# KiCad board delta48m.kicad_pcb (continued)
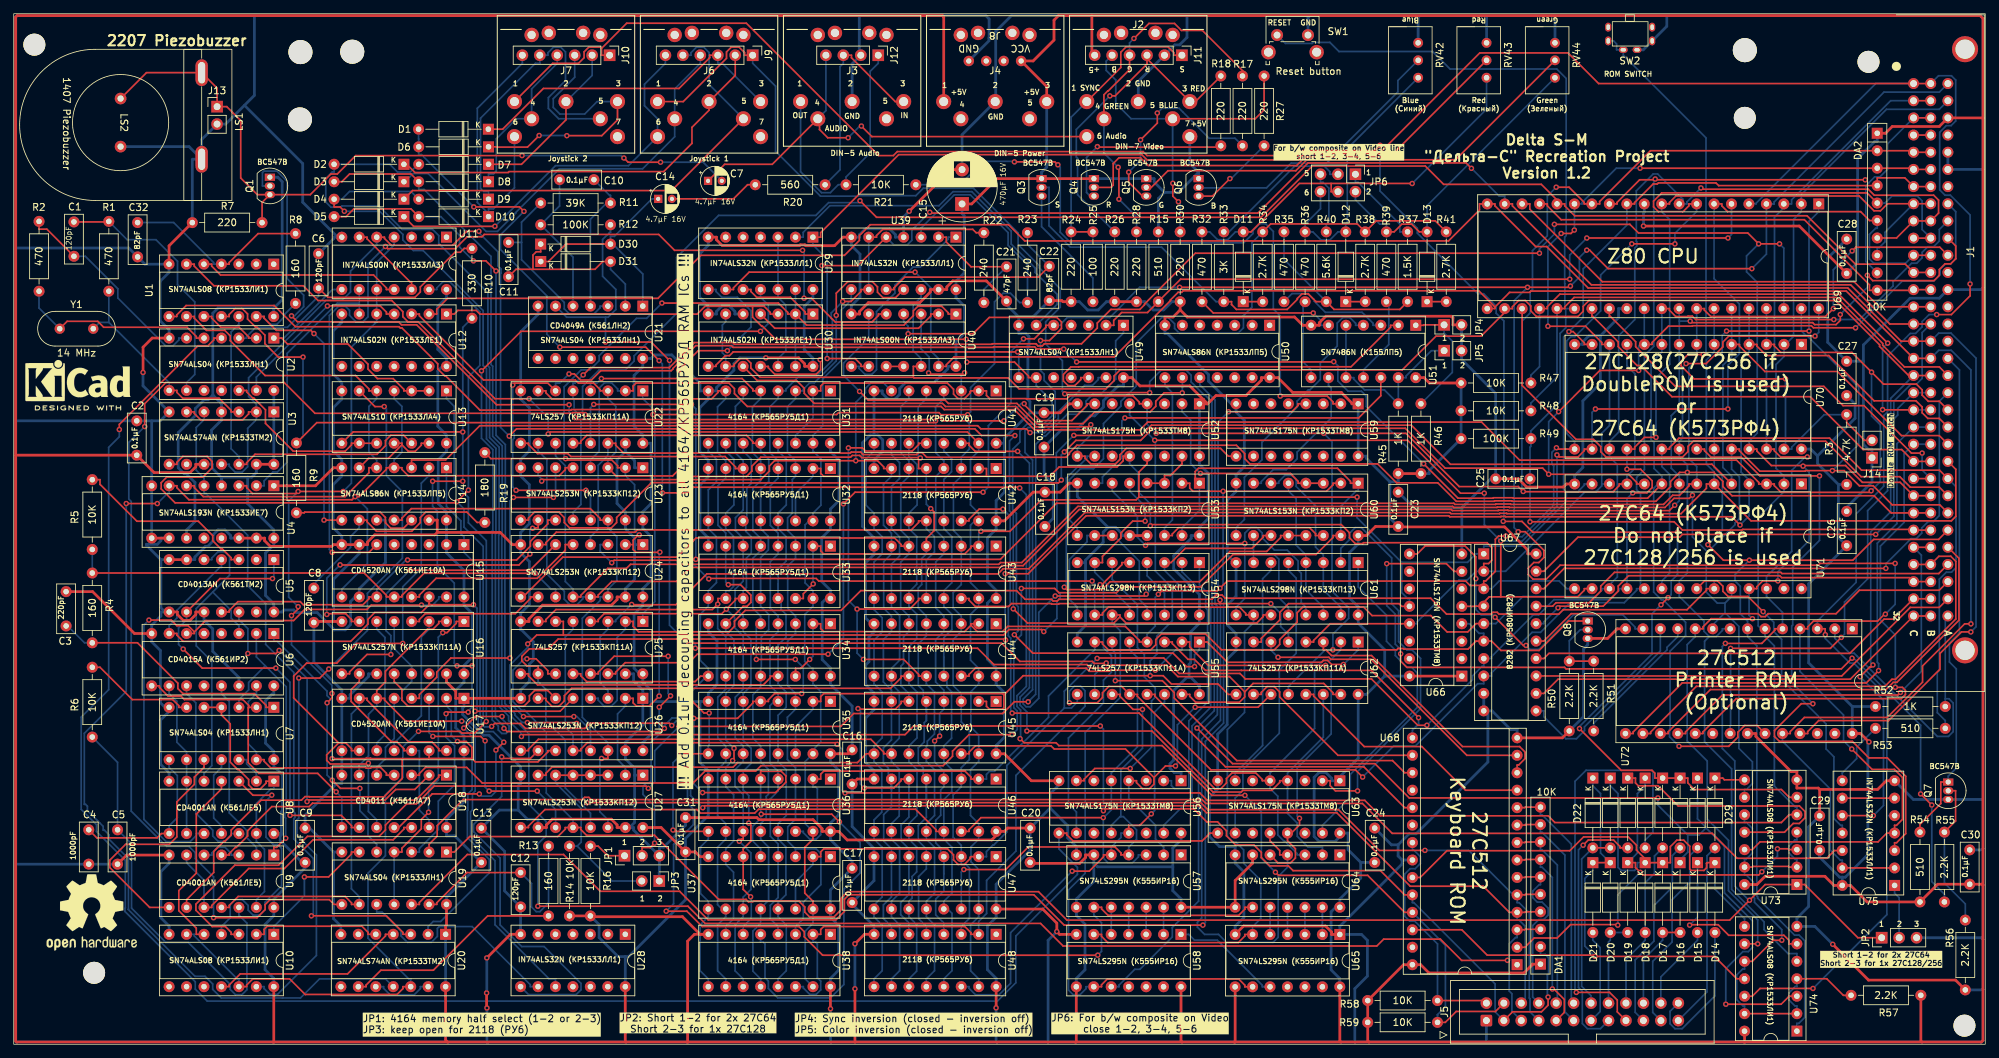
[diagram p0: board, top side]
## Routing (per net, layer and track width the routed paths; a pad name or vN(x,y) marks a point on that pad's centre or on a via; arc(x,y) is an arc through that point) (continued)
Down1: length 62.6
  Bottom w0.25: J9.4 99.95,142.78 96.22,139.05 J6.4 96.22,134.71 96.22,132.1 91.55,127.43 79.44,127.43 73.06,121.06 73.06,120.97 70.42,118.32 68.75,118.32 60.34,126.74 58.15,126.74 56.96,125.55 D3.1
Down2: length 24.3
  Bottom w0.25: D8.1 69.12,126.67 69.82,126.67 70.24,127.1 70.24,131.78 73.18,134.71 J7.4 75.39,139.05 79.12,142.78 J10.4
Extra_A14: length 100.6
  Top w0.25: v1(257.92,96.85) 244.62,96.85 242.72,98.75 242.72,99.39 243.73,100.4 v1(245.94,100.4) ; J14.2 269.33,87.9 269.33,88 266.83,90.51 R3.2
  Bottom w0.25: v1(257.92,96.85) 257.92,86.86 258.15,86.63 ; SW2.1 232.88,146.05 233.33,145.6 233.33,144.75 SW2.1 234.31,143.97 246.35,131.93 246.35,100.81 v1(245.94,100.4) ; R3.2 263.55,91.64 258.82,86.91 258.82,86.63 258.15,86.63 ; U70.27 258.15,86.63
Fire1: length 56.8
  Top w0.25: v1(70.04,119.06) 58.2,119.06 D5.1
  Bottom w0.25: 94.87,143.96 94.87,142.78 91.82,139.74 91.82,136.61 93.72,134.71 93.72,132.11 89.49,127.88 78.87,127.88 v1(70.04,119.06)
Fire2: length 40
  Bottom w0.25: 72.89,132.11 72.89,124.67 69.82,121.59 69.12,121.59 69.12,121.03 ; 69.12,121.03 68.98,121.03 67.48,122.53 67.48,136.23 74.04,142.78 74.04,143.96 ; 69.12,121.03 D10.1
GREEN: length 52.8
  Top w0.25: R27.2 182.02,136.01 180.72,134.71 J2.5 ; v1(169.55,122.63) 168.73,123.44 v1(168.73,125.32)
  Bottom w0.25: v1(169.55,122.63) 169.8,122.37 R30.1 ; J11.5 159.03,143.1 159.03,141.75 160.43,140.36 160.43,136.95 162.67,134.71 J2.5 168.7,125.35 v1(168.73,125.32)
JOY3: length 305.4
  Top w0.25: J5.3 218.19,4.72 222.39,4.72 223.36,5.69 v1(223.36,6.88) ; v1(73.91,44.79) 74.18,45.07 129.75,45.07 131,46.32 v1(158.18,46.32) ; v1(158.63,33.99) 158.9,34.26 171.78,34.26 173.67,32.37 175.25,32.37 176.53,31.09 176.53,30.35 177.88,29 180.54,29 181.62,27.93 181.62,27.18 182.83,25.96 185.55,25.96 186.24,25.27 198.96,25.27 202.48,21.74 U68.24
  Bottom w0.25: J5.3 215.65,4.72 215.65,8.79 203.82,20.61 203.61,20.61 U68.24 ; DA1.2 222.25,13.07 222.95,13.07 223.42,12.6 223.42,10.25 223.25,10.08 223.25,6.98 v1(223.36,6.88) ; v1(158.18,46.32) 158.63,45.87 v1(158.63,33.99) ; D7.2 58.86,128.09 57.73,126.96 55.86,126.96 54.73,128.09 47.76,128.09 D2.2 46.64,126.96 46.35,126.96 45.43,126.03 45.43,122.59 46.18,121.84 47.6,121.84 47.78,122.02 53.14,122.02 56.56,118.6 60.98,118.6 61.87,117.71 61.87,116.54 69.03,109.39 69.03,98.75 69.27,98.5 69.27,88.3 70.66,86.91 70.66,74.2 70.59,74.13 70.59,49.22 72.04,47.78 72.04,47.1 73.91,45.23 v1(73.91,44.79)
JOY4: length 272.9
  Top w0.25: v1(94.42,80.26) 98.07,80.26 98.9,81.08 146.32,81.08 v1(146.44,80.97) ; v1(79.5,101.47) 91.99,101.47 v1(93.95,99.52) ; v1(146.5,44.48) 147.09,43.88 151.73,43.88 152.14,43.47 167.18,43.47 174.42,36.23 v1(179.23,36.23) ; R59.2 208.39,3.19 209.98,4.77 215.7,4.77 J5.4 ; v1(66.97,121.88) 73.63,121.88 v1(74.28,121.23) ; U68.25 202.48,19.2 197.09,24.59 184.12,24.59 v1(183.67,25.04)
  Bottom w0.25: D1.2 58.93,131.78 58.96,131.75 D6.2 58.96,129.5 59.35,129.5 v1(66.97,121.88) ; v1(93.95,99.52) 94.42,99.05 v1(94.42,80.26) ; v1(79.5,101.47) 77.6,103.37 77.6,108.94 70.86,115.68 70.86,117.81 v1(74.28,121.23) ; v1(179.23,36.23) 181.62,33.84 181.62,27.09 v1(183.67,25.04) ; v1(146.44,80.97) 147.41,80 147.41,52.1 146.04,50.73 146.04,49.17 146.57,48.65 146.57,44.55 v1(146.5,44.48) ; U68.25 208.41,14.4 208.41,5.46 207.26,4.31 R59.2
JOY5: length 290.9
  Top w0.25: v1(217.44,12.21) 210.77,12.21 207.68,15.3 199.43,15.3 198.42,14.3 152.76,14.3 149.47,17.59 100.64,17.59 98.13,20.1 v1(76.3,20.1) ; D3.2 47.76,125.55 48.89,126.67 57.83,126.67 D8.2 ; U68.3 219.98,16.66 220.06,16.74 DA1.3
  Bottom w0.25: 217.7,12.21 v1(217.44,12.21) ; 217.7,12.21 217.7,7.75 218.09,7.35 218.09,4.81 J5.5 ; 217.7,12.21 217.7,14.62 218.62,15.53 218.85,15.53 U68.3 ; D8.2 58.96,124.42 59.73,124.42 69.48,114.68 69.48,98.94 69.72,98.69 69.72,88.49 71.11,87.1 71.11,74.01 71.04,73.94 71.04,49.41 72.49,47.96 72.49,47.65 74.98,45.16 74.98,34.93 77.5,32.41 77.5,30.36 76.3,29.16 v1(76.3,20.1)
JOY6: length 289.1
  Top w0.25: v1(48.13,121.25) 47.5,121.88 46.64,121.88 D4.2 ; DA1.4 220.06,19.28 219.98,19.2 U68.4 217.72,19.2 213.91,23.01 203.28,23.01 192.6,33.7 173.62,33.7 172.61,34.71 100.58,34.71 v1(100.3,34.43) ; v1(94.72,45.97) 94.27,45.52 71.81,45.52 v1(71.36,45.97)
  Bottom w0.25: D4.2 47.76,123.01 48.89,124.13 57.83,124.13 D9.2 ; v1(48.13,121.25) 53.27,121.25 56.64,117.88 56.64,117.07 58.17,115.54 59.59,115.54 68.33,106.79 68.33,98.8 68.82,98.32 68.82,88.11 70.2,86.73 70.2,74.37 70.12,74.29 70.12,47.5 71.36,46.25 v1(71.36,45.97) ; J5.6 220.03,6.56 220.03,17.18 219.13,18.07 218.85,18.07 U68.4 ; v1(94.72,45.97) 94.72,46.38 95.83,47.49 97.31,47.49 98.53,46.27 98.53,36.2 v1(100.3,34.43)
JOY7: length 280.6
  Top w0.25: D5.2 48.37,120.47 49.5,121.59 57.83,121.59 D10.2 ; v1(83.45,35.17) 172.79,35.17 173.81,34.15 192.86,34.15 198.78,28.22 v1(205.43,28.22) ; v1(74.77,46.83) 81.83,46.83 v1(81.96,46.7) ; v1(70.21,112.55) 68.73,114.03 v1(66.92,114.03) ; U68.5 219.98,21.74 220.06,21.82 DA1.5
  Bottom w0.25: v1(74.77,46.83) 74.03,46.83 72.94,47.92 72.94,48.15 71.49,49.6 71.49,73.75 71.56,73.82 71.56,87.28 70.21,88.64 v1(70.21,112.55) ; 218.85,21.18 211.81,28.22 v1(205.43,28.22) ; 218.85,21.18 218.85,20.61 219.13,20.61 220.63,19.11 220.63,6.72 220.73,6.62 220.73,4.72 J5.7 ; 218.85,21.18 U68.5 ; v1(66.92,114.03) 64.89,116.06 64.89,117.74 62.17,120.47 D10.2 ; v1(81.96,46.7) 82.69,45.97 82.69,35.93 v1(83.45,35.17)
KB0: length 36.7
  Top w0.25: U62.13 189.22,50.93 189.22,50.7 196.59,43.33 204.99,43.33 211.34,36.98 U68.11
KB1: length 40.3
  Top w0.25: U68.12 218.85,40.65 219.08,40.65 220,41.56 220,42.54 219.21,43.33 210.9,43.33 197.65,56.58 191.83,56.58 190.99,57.42 190.64,57.42 U62.3
KB2: length 43.4
  Top w0.25: U68.13 211.53,42.06 197.55,56.04 191.73,56.04 191.44,56.33 v1(184.05,56.33)
  Bottom w0.25: 183.02,58.55 183.02,57.36 v1(184.05,56.33)
KB3: length 45
  Top w0.25: v1(204.51,47.54) 197.63,54.42 178.69,54.42 178.69,54.42 173.47,54.42 171.87,56.03 170.94,56.03 168.65,58.32 168.65,58.55 U55.3
  Bottom w0.25: U68.15 203.61,45.73 204.51,46.63 v1(204.51,47.54)
KB4: length 28.3
  Top w0.25: U62.10 181.6,50.93 181.6,51.21 182.45,52.06 183.51,52.06 184.29,51.28 184.29,50.54 192.77,42.06 U68.16
KB5: length 55.1
  Top w0.25: v1(160.36,52.92) 167.21,52.92 168.94,51.19 168.94,50.39 178.04,41.29 200.71,41.29 202.48,39.52 U68.17
  Bottom w0.25: v1(160.36,52.92) 160.36,56.97 159.9,57.42 U55.6
KB7: length 45.6
  Top w0.25: U55.13 166.11,50.93 166.11,50.67 176.4,40.39 196.54,40.39 202.48,34.44 U68.19
KBD2: length 34.7
  Top w0.25: J5.2 214,6.36 R58.2
  Bottom w0.25: U68.21 203.61,28.23 203.84,28.23 204.77,27.31 204.77,26.32 204,25.55 203.27,25.55 202.48,24.76 202.48,18.66 203.21,17.93 203.94,17.93 207.26,14.6 R58.2
KBD8: length 25.4
  Top w0.25: DA1.6 220.06,24.36 219.98,24.28 U68.6
  Bottom w0.25: DA1.6 222.25,23.23 222.07,23.23 221.12,22.29 221.12,21.35 221.78,20.69 222.48,20.69 223.38,19.8 223.38,18.81 222.72,18.15 222,18.15 221.11,17.27 221.11,6.88 222,5.99 J5.8
KBD9: length 29.1
  Top w0.25: v1(223.98,8.05) 224.2,8.05 225.71,6.53 225.71,4.63 J5.9 ; U68.7 219.98,26.82 220.06,26.9 DA1.7
  Bottom w0.25: v1(223.98,8.05) 223.98,24.28 222.48,25.77 222.25,25.77 DA1.7
KBD10: length 28.1
  Top w0.25: DA1.8 220.06,29.44 219.98,29.36 U68.8
  Bottom w0.25: J5.10 224.71,6.16 224.71,26.09 222.48,28.31 222.25,28.31 DA1.8
KBD11: length 34.1
  Top w0.25: DA1.9 220.06,31.98 219.98,31.9 U68.9
  Bottom w0.25: J5.11 225.81,4.72 225.81,27.53 222.48,30.85 222.25,30.85 DA1.9
KBD12: length 34.1
  Top w0.25: U68.10 219.98,34.44 220.06,34.52 DA1.10
  Bottom w0.25: DA1.10 222.25,33.39 222.48,33.39 226.74,29.14 226.74,6.33 J5.12
KBD13: length 13.8
  Bottom w0.25: J5.13 230.94,4.77 230.94,14.07 229.87,15.14 D14.2
KBD14: length 26.4
  Top w0.25: D22.2 D23.2
  Bottom w0.25: J5.14 229.62,7.06 228.25,8.43 228.25,26.96 D22.2
KBD15: length 38.5
  Top w0.25: v1(228.46,28.98) 229.21,29.73 232.88,29.73 233.82,28.79 233.82,28.59 D24.2
  Bottom w0.25: v1(228.46,28.98) 227.79,28.3 227.79,8.25 228.35,7.69 228.35,3.01 229.09,2.27 230.98,2.27 J5.15
KBD16: length 12.9
  Bottom w0.25: D16.2 D15.2 232.41,15.14 232.16,14.89 J5.16
KBD17: length 64.4
  Top w0.25: J5.17 233.43,4.72 233.43,6.44 232.31,7.55 v1(227.46,7.55)
  Bottom w0.25: v1(227.46,7.55) 227.28,7.73 227.28,38.28 228.88,39.88 238.44,39.88 238.62,39.7 238.62,30.84 237.49,29.71 D25.2
KBD18: length 24.8
  Bottom w0.25: D26.2 238.85,27.41 238.85,24.88 237.49,23.52 D17.2 237.49,15.14 234.7,12.35 J5.18
KBD19: length 28.3
  Bottom w0.25: J5.19 236.03,4.66 236.03,12.27 238.76,15 238.76,20.18 241.44,22.87 241.44,27.46 D27.2
KBD20: length 14
  Top w0.25: D18.2 D19.2
  Bottom w0.25: J5.20 237.24,12.35 240.03,15.14 D18.2
KBD21: length 28.3
  Bottom w0.25: D28.2 243.98,27.46 243.98,23.61 241.41,21.04 241.41,14.88 238.59,12.06 238.59,4.63 J5.21
KBD22: length 12.5
  Bottom w0.25: J5.22 239.78,9.81 245.11,15.14 D20.2
KBD23: length 27.3
  Bottom w0.25: J5.23 246.5,7.63 246.5,27.44 D29.2
KBD24: length 21.5
  Bottom w0.25: J5.24 241.11,4.79 241.11,2.99 241.83,2.27 242.88,2.27 247.65,7.05 D21.2
KGIL: length 38.3
  Top w0.25: U9.4 31.37,27.54 31.37,27.76 32.28,28.67 32.41,28.67 34.05,30.31 34.05,31.08 37.57,34.59 43,34.59 43.49,35.08 55.22,35.08 55.67,35.54 58.52,35.54 61.87,38.89 61.87,39.17 U18.1
KKADRAN: length 68.6
  Top w0.25: U9.11 31.37,19.92 31.37,20.2 32.67,21.51 48.25,21.51 49.17,20.59 49.17,20.36 U19.9 ; U17.7 51.43,50.35 51.43,50.09 57.5,44.02 60.87,44.02 61.88,43.02 61.88,42.73 U17.15
  Bottom w0.25: U17.7 50.3,49.23 49.15,48.08 49.15,22.63 50.3,21.49 U19.9
KRAIN: length 215.9
  Top w0.25: U53.2 171.19,81.66 171.19,80.96 171.65,80.5 v1(176.05,80.5) 191.12,80.5 192.05,81.43 192.05,81.66 U60.2 ; v1(173.11,17.34) 152.91,17.34 148.5,21.75 121.58,21.75 120.92,21.09 120.92,19.33 119.68,18.1 101.1,18.1 96.93,22.27 85.39,22.27 80.04,27.62 66.02,27.62 59.04,20.64 59.04,20.36 57.92,20.36
  Bottom w0.25: v1(176.05,80.5) 176.05,66.95 176.33,66.67 176.33,64.36 176.12,64.15 176.12,46.74 173.46,44.08 173.46,17.7 v1(173.11,17.34)
KSGIN: length 209.4
  Top w0.25: U60.15 192.05,74.04 192.05,73.76 189.57,71.28 177.48,71.28 172.78,66.58 161.37,66.58 160.52,65.72 152.16,65.72 151.53,66.35 v1(146.68,66.35) ; 57.92,39.17 59.04,39.17 59.04,39.4 59.95,40.3 65.93,40.3 68.2,38.03 98.9,38.03 100.62,39.75 107.99,39.75 108.78,40.55 135.29,40.55 136.66,41.91 136.66,42.67 139.04,45.05 v1(145.32,45.05) ; U60.1 194.59,81.66 194.59,81.95 192.69,83.85 172.47,83.85 171.99,83.36 171.99,82.28 U53.1
  Bottom w0.25: v1(145.32,45.05) 146.08,45.81 146.08,48.5 145.59,48.99 145.59,58.5 146.68,59.6 v1(146.68,66.35) ; U53.15 170.06,75.17 172.6,77.71 U53.1 ; U60.1 195.72,80.54 195.43,80.54 193.18,78.29 U60.15
Left1: length 59.6
  Top w0.25: 105.03,143.96 105.03,141.02 J6.2 101.22,135.96 98.73,133.47 98.73,131.13 94.62,127.02 72.11,127.02 71.98,126.89 58.41,126.89 57.21,128.09 D2.1
Left2: length 24.9
  Top w0.25: D7.1 73.92,128.09 80.39,134.56 J7.2
  Bottom w0.25: J7.2 84.2,141.02 84.2,143.96
M1L: length 59.6
  Top w0.25: J1.23 J1.23 274.84,86.56 269.23,86.56 261.53,94.25 241.4,94.25 236.85,98.8 236.32,98.8 233.57,101.55 233.57,102.24 229.85,105.95 229.74,105.95 U69.27
MAG: length 147.5
  Top w0.25: v1(95.46,99.54) 92.78,102.21 v1(86.15,102.21) ; v1(98.27,58.19) 98.47,58.39 143.8,58.39 146.46,55.73 157.01,55.73 157.29,55.44 158.99,55.44 v1(159.04,55.49)
  Bottom w0.25: v1(98.27,58.19) 95.46,61 v1(95.46,99.54) ; v1(159.04,55.49) 157.36,53.82 U55.10 ; 86.15,105.83 v1(86.15,102.21) ; 86.15,105.83 80.49,105.83 U21.6 ; 86.15,105.83 86.53,105.83 87.65,106.95 87.65,109.87 85.72,111.79 85.72,117.14 86.73,118.15 86.88,118.15 R12.2
MAG_IN: length 31.7
  Top w0.25: J12.3 121.94,143.96 121.94,143.6 128.33,137.21 J3.3
  Bottom w0.25: J12.3 120.77,142.78 120.28,142.3 120.28,127.28 R20.1
MAG_OUT: length 39.4
  Bottom w0.25: J12.1 125.85,142.78 124.67,141.61 124.67,129.75 121.16,126.23 R21.2 120.03,125.11 118.87,123.95 117.6,123.95 114.55,127 J3.1
MUX1_Y1: length 199.7
  Top w0.25: v1(114.7,51.04) 110.76,51.04 109.85,50.14 109.85,49.9 U35.5 107.6,49.9 107.6,49.67 105.37,47.44 v1(99,47.44) ; v1(108.82,33.49) 119.07,33.49 v1(120.2,32.36) ; v1(100.28,36.63) 110.89,36.63 112.39,38.14 112.39,39.07 111.73,39.73 108.73,39.73 U36.5 ; U31.5 107.6,95.1 107.6,95.34 106.04,96.9 v1(85.55,96.9) ; v1(108.1,56.02) v1(113.78,56.02)
  Bottom w0.25: U36.5 108.73,33.49 ; 108.73,33.49 v1(108.82,33.49) ; 108.73,33.49 108.73,32.89 107.55,31.71 107.55,29.61 108.73,28.43 U37.5 ; U22.4 83.96,96.23 84.88,96.23 v1(85.55,96.9) ; 108.73,61.77 108.1,61.14 v1(108.1,56.02) ; 108.73,61.77 108.73,62.33 107.59,63.47 107.59,70.73 108.73,71.86 U33.5 108.73,73.63 107.59,74.77 107.59,80.9 108.73,82.04 U32.5 108.73,84.93 107.53,86.13 107.53,92.78 108.73,93.98 U31.5 ; 108.73,61.77 U34.5 ; v1(114.7,51.04) 114.93,51.28 114.93,54.86 v1(113.78,56.02) ; v1(99,47.44) 99,37.91 v1(100.28,36.63) ; U38.5 108.73,14.88 109.1,14.88 109.36,14.61 109.36,9.68 109.85,9.19 109.85,8.12 111.22,6.75 118.9,6.75 120.84,8.7 120.84,22.57 123.22,24.95 123.22,29.34 v1(120.2,32.36)
MUX1_Y2: length 117.9
  Top w0.25: U34.7 106.2,63.76 106.76,63.76 107.31,64.32 107.31,65.37 105.79,66.9 v1(104.02,66.9) ; v1(104.65,41.29) 104.85,41.5 v1(104.85,43.08) ; U22.7 77.46,95.1 77.46,94.82 78.34,93.95 101.59,93.95 102.52,94.87 102.52,95.1 U31.7
  Bottom w0.25: v1(104.02,66.9) 103.65,67.27 U33.7 103.65,74.42 102.52,75.54 102.52,81.28 103.65,82.41 U32.7 103.65,84.93 102.46,86.12 102.46,92.79 103.65,93.98 U31.7 ; U38.7 103.65,17.13 104.78,18.27 104.78,25.04 103.65,26.18 U37.7 103.65,28.43 104.8,29.58 104.8,36.33 103.65,37.48 U36.7 103.65,40.29 v1(104.65,41.29) ; U34.7 103.65,60.08 104.84,58.89 104.84,52.22 103.65,51.03 U35.7 103.65,44.28 v1(104.85,43.08)
MUX1_Y3: length 119.9
  Top w0.25: U22.9 74.92,87.48 74.92,87.3 76.25,85.97 80.68,85.97 81.11,85.55 103.55,85.55 105.06,84.04 105.06,83.8 U32.6 ; v1(107,32.19) 107.31,31.88 107.31,29.56 106.19,28.43 U37.6 106.19,22.54 v1(107.27,21.46)
  Bottom w0.25: U38.6 106.19,17.13 107.36,18.31 107.36,21.37 v1(107.27,21.46) ; U31.6 106.19,93.98 105.06,92.84 105.06,86.08 106.19,84.95 U32.6 106.19,77.78 106.19,77.78 105.06,76.65 105.06,74.76 106.19,73.63 U33.6 106.19,67.4 105.01,66.22 105.01,63.51 106.19,62.33 U34.6 106.19,60.08 107.32,58.95 107.32,52.16 106.19,51.03 U35.6 106.19,44.23 107.34,43.07 107.34,40.89 106.19,39.73 U36.6 106.19,37.01 107,36.19 v1(107,32.19)
MUX1_Y4: length 115.3
  Top w0.25: U22.12 82.54,87.48 82.54,87.76 83.42,88.64 106.67,88.64 107.6,87.7 107.6,87.48 U31.12
  Bottom w0.25: U37.12 108.73,20.25 109.18,20.25 ; U31.12 108.73,86.34 109.91,85.15 109.91,81.91 108.73,80.72 U32.12 108.73,75.06 109.85,73.93 109.85,71.96 108.73,70.83 U33.12 108.73,63.76 109.91,62.58 109.91,60.35 108.83,59.27 108.83,54.81 108.73,54.71 U34.12 108.73,51.99 107.59,50.86 107.59,44.55 108.73,43.41 U35.12 108.73,41.14 109.86,40.01 109.86,36.39 109.54,36.07 109.54,32.93 108.73,32.11 U36.12 108.73,29.86 109.89,28.7 109.89,20.96 109.18,20.25 ; U38.12 108.73,9.51 107.6,10.64 107.6,16.47 108.73,17.6 108.73,19.8 109.18,20.25
MUX2_Y1: length 108.9
  Top w0.25: v1(105.62,29.55) 105.93,29.86 106.19,29.86 U36.11 ; U25.4 85.08,61.54 85.08,61.81 85.95,62.67 103.07,62.67 v1(103.74,63.34) 105.06,64.66 105.06,64.88 U33.11
  Bottom w0.25: U31.11 106.19,86.34 107.35,85.18 107.35,81.62 106.72,80.98 106.72,76.34 106.56,76.18 ; 106.56,76.18 106.56,74.66 107.36,73.86 107.36,71.46 106.65,70.75 106.65,66.48 106.19,66.01 U33.11 ; 106.56,76.18 U32.11 ; U38.11 106.19,9.51 105.01,10.69 105.01,17.38 106.19,18.56 U37.11 106.19,21.41 107.31,22.54 107.31,27.85 v1(105.62,29.55) ; U36.11 106.19,36.37 106.19,36.37 105,37.56 105,39.97 106.19,41.16 U35.11 106.19,43.41 105.03,44.57 105.03,50.51 106.19,51.67 U34.11 106.19,59.4 104.92,60.67 104.92,62.16 v1(103.74,63.34)
MUX2_Y2: length 114.8
  Top w0.25: U33.10 102.52,64.88 102.52,64.11 v1(102.47,64.06) 101.69,63.28 78.92,63.28 77.46,61.82 77.46,61.54 U25.7
  Bottom w0.25: v1(102.47,64.06) 102.47,60.51 103.65,59.33 U34.10 103.65,51.67 102.48,50.51 102.48,44.57 103.65,43.41 U35.10 103.65,41.16 102.47,39.98 102.47,33.29 103.65,32.11 U36.10 103.65,29.86 102.46,28.67 102.46,20.31 103.65,19.12 ; U37.10 103.65,19.12 ; 103.65,19.12 103.65,18.56 102.47,17.38 102.47,10.69 103.65,9.51 U38.10 ; U31.10 103.65,86.36 104.84,85.17 104.84,78.5 103.65,77.31 U32.10 103.65,75.06 104.78,73.92 104.78,66.63 104.16,66.01 103.65,66.01 U33.10
MUX2_Y3: length 127
  Top w0.25: U34.13 110.14,53.58 110.14,53.35 109.09,52.3 76.26,52.3 74.92,53.64 74.92,53.92 U25.9
  Bottom w0.25: U31.13 111.27,86.36 112.46,85.17 112.46,78.5 111.27,77.31 U32.13 111.27,75.06 112.43,73.89 112.43,70.32 111.27,69.16 111.27,67.02 ; 111.27,67.02 111.27,65.2 111.72,64.75 111.72,63.29 112.42,62.58 112.42,59.27 111.27,58.11 U34.13 111.27,52.46 112.45,51.28 112.45,49.05 111.27,47.87 U35.13 111.27,41.16 112.46,39.97 112.46,33.3 111.27,32.11 U36.13 111.27,29.86 112.4,28.72 112.4,21.76 111.27,20.62 U37.13 111.27,18.56 112.46,17.37 112.46,10.7 111.27,9.51 U38.13 ; 111.27,67.02 U33.13
MUX2_Y4: length 117.4
  Top w0.25: U34.9 99.98,53.58 99.18,52.79 83.4,52.79 82.54,53.64 82.54,53.92 U25.12 ; v1(95.97,31.18) 96.17,30.98 U36.9 ; U35.9 v1(97.27,42.28) ; v1(98,50.69) 100.47,48.22 v1(101.23,48.22)
  Bottom w0.25: U34.9 101.11,53.81 ; 101.11,53.81 101.11,54.71 99.95,55.87 99.95,62.6 101.11,63.76 U33.9 101.11,66.01 102.3,67.2 102.3,73.87 101.11,75.06 U32.9 101.11,80.69 102.3,81.88 102.3,85.15 101.11,86.34 U31.9 ; 101.11,53.81 v1(98,50.69) ; v1(97.27,42.28) 95.97,40.99 v1(95.97,31.18) ; U36.9 101.11,29.86 99.97,28.72 99.97,21.94 101.11,20.81 U37.9 101.11,18.56 99.91,17.36 99.91,10.71 101.11,9.51 U38.9 ; U35.9 101.11,43.41 101.23,43.54 v1(101.23,48.22)
MUX_S: length 134.6
  Top w0.25: v1(138.86,91.64) 134.99,91.64 134.69,91.93 120.07,91.93 119.8,91.66 v1(93.05,91.66)
  Bottom w0.25: U22.1 91.58,93.98 93.05,92.5 v1(93.05,91.66) 93.32,91.39 93.32,64.41 91.58,62.67 U25.1 ; v1(138.86,91.64) 139.3,92.07 139.3,95.59 142.77,99.07 142.77,108.06 144.02,109.32 145.09,109.32 146.45,107.96 R23.2 147.57,113.47 144.75,116.29 144.75,118.13 139.24,123.64 136.91,123.64 132.09,118.81 U39.3
OE0L: length 97
  Top w0.25: v1(261.91,49.57) 260.21,49.57 256.31,45.67 256.31,44.8 257.02,44.09 267.65,44.09 270.06,41.68 272.75,41.68 275.42,39.01 275.42,30.66 274.08,29.33 273.8,29.33 U75.3 ; v1(262.87,82.73) 254.2,82.73 251.46,85.47 247.05,85.47 246.12,86.4 246.12,86.63 U70.22
  Bottom w0.25: v1(261.91,49.57) 258.82,52.65 258.82,60.87 258.97,61.01 258.97,69.43 262.87,73.34 v1(262.87,82.73)
OE1L: length 49.6
  Top w0.25: U71.22 246.15,67.46 248.02,67.46 248.81,66.68 248.81,65.93 249.55,65.19 252.45,65.19 v1(254.67,62.97)
  Bottom w0.25: U75.11 266.18,31.87 265.95,31.87 264.97,32.85 264.97,41.83 263.83,42.97 263.83,46.62 257.35,53.1 257.35,58.94 256.21,60.08 256.21,61.43 v1(254.67,62.97)
OZUMPN: length 167.3
  Top w0.25: U26.2 90.16,50.35 90.16,49.7 90.64,49.23 92.51,49.23 93.95,50.67 v1(93.95,50.69) ; v1(94.06,71.63) 94.02,71.6 90.58,71.6 90.16,72.01 90.16,72.73 ; R19.1 69.45,85.24 v1(80.33,85.24) 80.53,85.04 87.06,85.04 87.91,84.2 87.91,83.92 U23.2 ; U24.2 90.16,72.73 ; 90.16,72.73 90.16,73.38 90.92,74.14 v1(91.07,74.14) ; U40.1 136.04,106.29 136.04,106.47 135.09,107.42 131.62,107.42 130.96,106.76 130.96,106.05 129.58,104.68 115.41,104.68 113.8,106.29 112.67,106.29 112.67,106.52 111.3,107.89 v1(94.36,107.89)
  Bottom w0.25: 113.8,98.67 113.8,109.86 ; v1(94.06,71.63) 93.95,71.53 v1(93.95,50.69) ; v1(80.33,85.24) 80.11,85.47 80.11,95.67 82.59,98.15 83.87,98.15 85.22,99.5 85.22,100.22 90.66,105.66 92.13,105.66 v1(94.36,107.89) ; v1(91.07,74.14) 90.38,74.82 90.38,81.45 89.04,82.79 U23.2 ; U26.2 89.04,49.23 87.9,48.09 87.9,41.43 89.04,40.29 U27.2
RA8: length 86.2
  Top w0.25: 238.3,26.43 D18.1 241.16,26.43 241.16,28.77 242.1,29.71 243.09,29.71 243.98,28.83 243.98,25.49 244.17,25.3 246.05,25.3 246.42,25.68 246.42,26.33 246.52,26.43 D21.1 ; 238.3,26.43 D17.1 ; 238.3,26.43 238.05,26.43 236.22,28.26 236.22,28.99 235.03,30.18 228.53,30.18 226.52,28.17 208.63,28.17 204.74,24.28 U68.23
  Bottom w0.25: D21.1 247.65,22.59 251.96,18.28 U74.8 ; D17.1 236.36,26.43 236.36,25.72 235.94,25.3 233.98,25.3 233.54,25.75 233.54,36.49 232.41,37.62 D23.1
RA9: length 4.4
  Top w0.25: D29.1 248.78,38.75 249.04,38.49 U73.8
RA10: length 26.6
  Top w0.25: v1(243.96,17.34) 244.01,17.4 248.12,17.4 249.65,15.87 257.68,15.87 258.45,15.1 258.45,14.61 U74.6
  Bottom w0.25: D20.1 245.11,18.49 v1(243.96,17.34)
RA13: length 66.5
  Top w0.25: U68.2 219.98,14.12 221.33,15.47 224.69,15.47 226.64,17.42 233.42,17.42 v1(233.5,17.33) ; v1(254.48,25.11) 254.02,24.65 237.16,24.65 v1(236.78,25.03) 236.08,25.72 236.08,26.43 D16.1 ; U73.3 258.45,28.33 258.33,28.45 v1(256.75,28.45)
  Bottom w0.25: v1(236.78,25.03) 233.5,21.76 v1(233.5,17.33) ; v1(254.48,25.11) 256.75,27.37 v1(256.75,28.45) ; D25.1 237.49,37.62 236.36,36.49 236.36,27.84 D16.1
RA14: length 38.8
  Top w0.25: U73.11 257.77,30.87 259.04,32.14 259.95,32.14 260.75,32.95 260.75,33.88 259.96,34.68 242.31,34.68 239.37,37.62 236.5,37.62 236.08,38.04 236.08,38.75 D24.1
RA15: length 82
  Top w0.25: U68.26 210.8,16.66 214.49,12.97 230.02,12.97 v1(230.21,12.79) 247.58,12.79 250.83,9.53 U74.11 ; D15.1 D14.1
  Bottom w0.25: v1(230.21,12.79) 228.7,14.3 228.7,24.13 229.87,25.3 D14.1 ; D22.1 229.87,37.62 231,36.49 231,27.84 D15.1
RASL: length 135.4
  Top w0.25: R22.2 140.1,118.12 139.6,118.62 126.5,118.62 125.59,117.71 125.59,117.48 U39.6 ; v1(120.67,108.12) 121.88,108.12 123.34,109.58 123.34,109.86 U39.9
  Bottom w0.25: U35.4 111.27,50.47 ; 111.27,50.47 110.07,49.27 110.07,40.93 111.27,39.73 U36.4 111.27,36.84 110.14,35.71 110.14,30.28 111.27,29.15 U37.4 111.27,21.36 110.13,20.22 110.13,18.27 111.27,17.13 U38.4 ; 111.27,50.47 111.27,51.03 110.09,52.21 110.09,58.9 111.27,60.08 U34.4 111.27,62.33 110.14,63.46 110.14,70.25 111.27,71.38 U33.4 111.27,74.4 110.14,75.53 110.14,81.28 111.27,82.41 U32.4 111.27,84.93 110.07,86.13 110.07,92.78 111.27,93.98 U31.4 112.39,95.1 112.39,95.34 114.24,97.18 116.81,97.18 119.17,99.54 119.17,105.49 119.01,105.65 119.01,106.45 v1(120.67,108.12) ; U39.6 U39.9
RED: length 48.1
  Top w0.25: v1(159.56,138.04) 160.33,138.04 164.97,142.69 J11.3 164.97,143.44 J2.3 172.02,137.21 175.72,140.91
  Bottom w0.25: R26.1 154.87,123.66 154.87,128.95 154.68,129.14 154.68,133.16 v1(159.56,138.04)
Right1: length 47.8
  Top w0.25: J9.3 101.31,143.96 101.31,143.59 96.84,139.12 77.1,139.12 71.17,133.19 D1.1
  Bottom w0.25: J6.3 103.15,142.78 102.49,142.78 J9.3
Right2: length 42.5
  Top w0.25: D6.1 70.24,130.63 70.28,130.59 74.79,130.59 v1(76.48,132.28) ; J7.3 87.89,134.54 85.6,132.25 v1(80.52,132.25)
  Bottom w0.25: J7.3 84.92,137.21 83.11,135.4 79.5,135.4 78.54,136.37 78.54,137.64 81.66,140.76 J10.3 ; v1(76.48,132.28) 80.49,132.28 v1(80.52,132.25)
STROBL: length 73.5
  Top w0.25: R54.2 277.5,32 280.53,35.04 280.53,38.17 Q7.1
  Bottom w0.25: Q7.1 281.61,39.02 282.78,40.19 282.78,54.64 281.78,55.63 281.78,58.41 283.24,59.87 283.24,98.16 J1.49
SYNC/VID: length 42.3
  Top w0.25: J11.1 168.88,143.96 168.88,144.33 168.03,145.17 161.92,145.17 161.16,144.41 161.16,142.17 J2.1 ; R25.2 R24.1
  Bottom w0.25: R24.1 153.92,134.93 J2.1
SYNCRO: length 79.3
  Top w0.25: R33.2 177.28,108.09 177.28,107.67 177.98,106.96 185.38,106.96 186.86,108.44 186.86,108.56 187.52,109.22 188.45,109.22 189.58,108.09 R40.1 192.2,106.96 201.78,106.96 R37.1
  Bottom w0.25: R33.2 175.02,108.09 167.09,116.02 153.82,116.02 150.7,119.14 150.7,124.73 Q3.2 ; R35.2 184.91,114.25 R40.1
TAIMS: length 69.2
  Top w0.25: U18.11 56.02,31.55 60.91,36.43 v1(67.77,36.43) ; v1(70.2,42.82) v1(71.34,43.97)
  Bottom w0.25: v1(71.34,43.97) 69.8,45.51 68.59,45.51 67.61,46.49 67.61,47.47 67.88,47.75 67.88,69.26 65.54,71.6 U15.1 65.54,73.86 65.09,74.31 65.09,76.19 62.99,78.29 U14.1 ; v1(70.2,42.82) 70.2,36.8 69.51,36.12 68.09,36.12 v1(67.77,36.43)
Up1: length 70.8
  Top w0.25: D4.1 58.06,124.27 95.77,124.27 J6.5
  Bottom w0.25: J6.5 101.22,139.71 101.22,144.36 100.44,145.14 99.39,145.14 98.59,144.33 98.59,143.96 J9.5
Up2: length 48
  Bottom w0.25: J7.5 79.33,134.71 77.83,136.21 77.83,137.79 80.32,140.28 80.32,144.44 79.62,145.14 78.57,145.14 77.76,144.33 77.76,143.96 J10.5 76.58,142.78 75.94,142.78 67.95,134.79 67.95,124.6 68.41,124.13 69.12,124.13 D9.1
UPRMX: length 47.1
  Top w0.25: v1(62.46,59.91) 63.07,59.91 64.42,61.26 64.42,61.54 U16.1 ; U19.4 56.5,27.98 56.5,28.54 59.33,31.36 59.33,32.72 v1(60.38,33.78)
  Bottom w0.25: v1(60.38,33.78) 60.38,37.07 61.81,38.49 61.81,59.26 v1(62.46,59.91) ; U19.11 U19.4
UZVUK: length 156.5
  Top w0.25: v1(40.44,106.03) 41.3,105.16 56.01,105.16 56.46,104.71 58.66,104.71 70.29,93.09 v1(80.84,93.09) ; v1(81.69,91.21) 81.97,90.93 133.35,90.93 133.9,91.48 134.5,91.48 135.24,90.74 v1(144.15,90.74) ; U52.7 156.24,93.22 156.24,92.99 154.03,90.78 149.42,90.78 147.09,93.11 v1(147.09,93.25)
  Bottom w0.25: v1(80.84,93.09) 80.84,92.06 v1(81.69,91.21) ; v1(144.15,90.74) 146.66,93.25 v1(147.09,93.25) ; Q1.2 36.21,124.94 36.21,126.88 36.42,127.09 38.32,127.09 39.79,125.62 39.79,111.45 42.2,109.04 42.2,107.35 40.88,106.03 v1(40.44,106.03)